# Altium PCB PCB.PcbDoc (part 3 of 4)
Units mm, origin at the board's own origin, x right, y up, seen from the top; angles counter-clockwise.
Board outline 120 x 75 mm, 4 copper layers (Top, GND 1, Power 2, Bottom), stack 1.586 mm thick; 171 components, 182 nets, 885 pads, 530 vias.
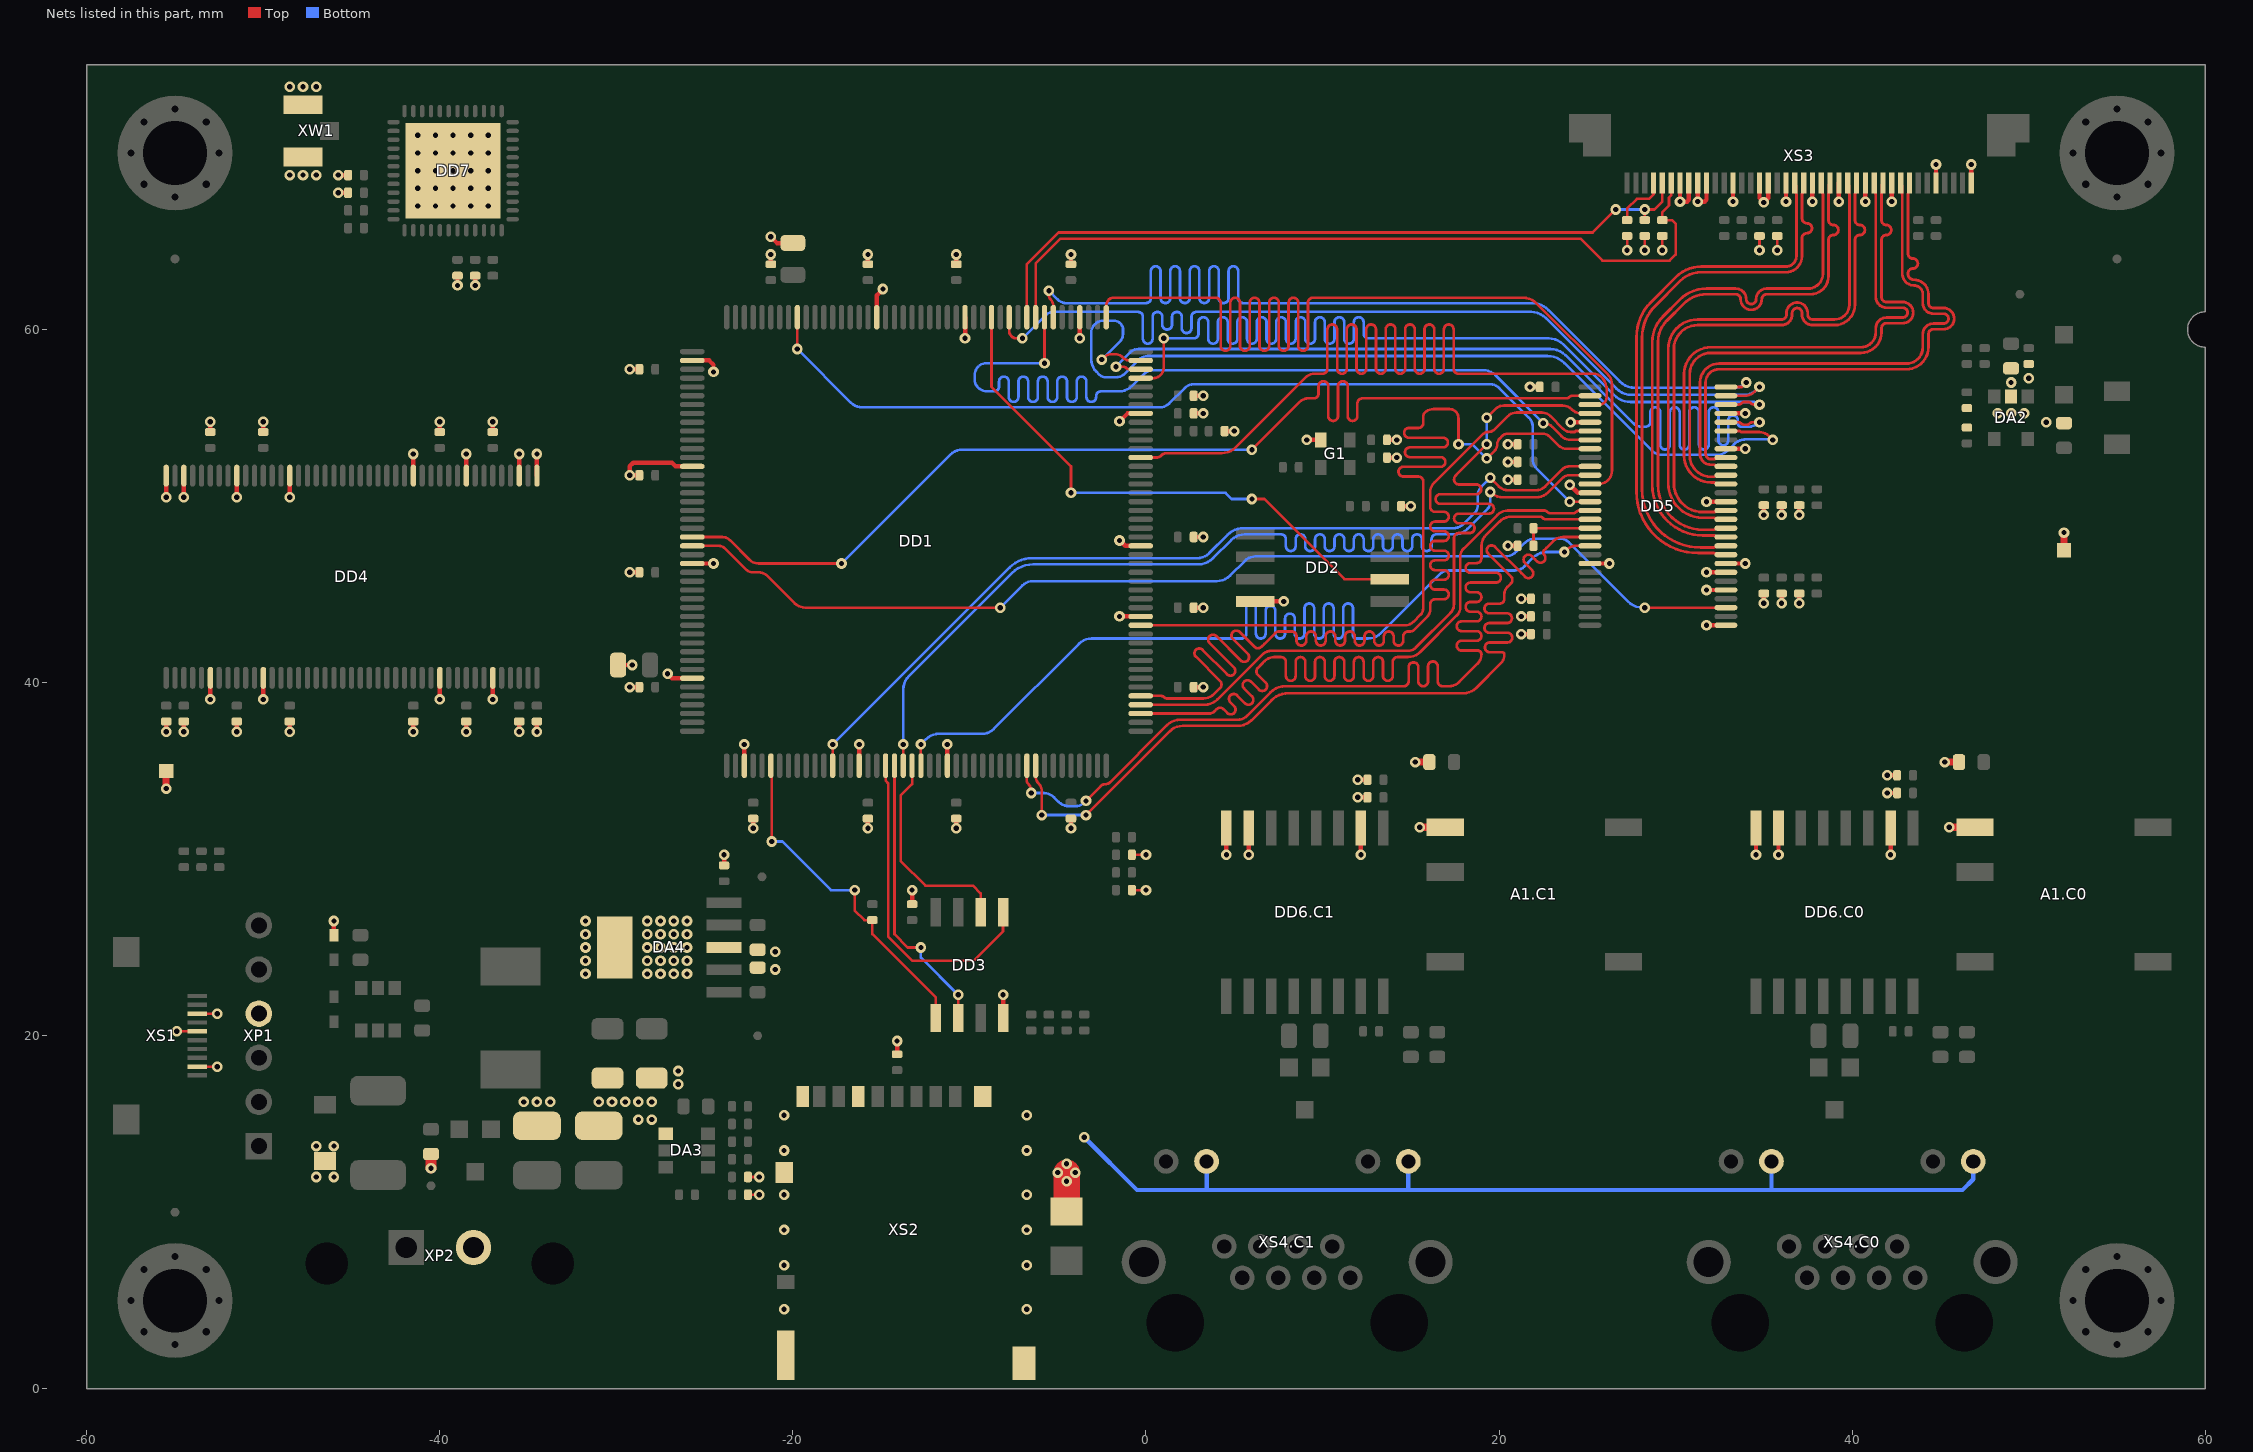
[diagram p5: the nets of this part, all layers, seen from the top]

## Via types
v1: diameter 0.6, hole 0.3, Top to Bottom, tented both sides, 505 vias
v2: diameter 0.6, hole 0.3, Top to Bottom, 25 vias

## Nets (pads, with @x,y where several pads share a name; then routed paths per layer and width w, separated by ;. In a path a pad name is that pad's centre, name@x,y a point inside that pad or via, vN(x,y) a via of type N, cw(c..) or ccw(c..) an arc to the next point about the centre after c; other vN are vias at no path point) (continued)
FLASH_SCK: DD1.58 DD2.6 | length 31.9
  Top w0.15: DD1.58@-8.75,60.7 -8.75,56.75 -4.25,52.25 v1(-4.25,50.75) ; v1(6,50.4) 6.7,50.4 11.235,45.865 DD2.6@13.81,45.865
  Bottom w0.15: v1(-4.25,50.75) 4.5,50.75 4.85,50.4 v1(6,50.4)
FRAM_CS_N: DD1.138 DD3.1 R10.1 | length 19.6
  Top w0.15: DD1.138@-21.25,35.3 -21.2,35.25 v1(-21.2,31) ; v1(-16.5,28.25) -16.5,27.1 -15.95,26.55 R10.1@-15.5,26.55 -15.5,25.75 -11.905,22.155 DD3.1@-11.905,21
  Bottom w0.15: v1(-21.2,31) -20.6,31 -17.85,28.25 v1(-16.5,28.25)
FRAM_MISO: DD1.152 DD3.2 | length 16.2
  Top w0.15: DD1.152@-14.25,35.3 -14.25,25.75 -13.5,25 v1(-12.75,25) ; DD3.2@-10.635,21 v1(-10.635,22.318)
  Bottom w0.15: v1(-12.75,25) -12.75,24.433 v1(-10.635,22.318)
FRAM_MOSI: DD1.151 DD3.5 | length 18.6
  Top w0.15: DD1.151@-14.75,35.3 -14.75,34.45 -14.6,34.3 -14.6,30.228 -14.598,30.225 -14.598,25.598 -13.25,24.25 -9.75,24.25 -8.1,25.9 -8.1,26.995 DD3.5@-8.095,27
FRAM_SCK: DD1.154 DD3.6 | length 12
  Top w0.15: DD1.154@-13.25,35.3 -13.25,34.25 -13.9,33.6 -13.9,29.9 -12.5,28.5 -9.8,28.5 -9.365,28.065 DD3.6@-9.365,27
GND: A1.C0.1 A1.C1.1 C1.1 C2.1 C3.1 C4.1 C5.1 C6.2 C7.2 C8.2 C9.2 C10.2 C11.2 C12.2 C13.2 C14.2 C15.2 C16.2 C17.2 C18.2 C19.2 C20.2 C21.2 C22.2 C23.2 C24.1 C25.1 C26.2 C27.2 C28.2 C29.2 C30.2 C31.2 C32.2 C33.2 C34.2 C35.2 C36.2 C37.2 C38.2 C39.2 C40.2 C41.2 C42.2 C43.2 C44.2 C45.2 C46.2 C47.2 C48.2 C49.2 C50.C0.1 C50.C1.1 C51.C0.1 C51.C1.1 C52.C0.1 C52.C1.1 C55.1 C56.1 C57.1 C58.1 C59.1 C61.1 C62.1 C63.1 C64.1 C67.1 C69.1 C70.1 C71.1 C72.1 C73.1 DA2.2 DA3.1 DA4.3 DA4.6 DD1.14 DD1.22 DD1.37 DD1.48 DD1.61 DD1.71 DD1.90 DD1.102 DD1.113 DD1.126 DD1.135 DD1.148 DD1.158 DD2.4 DD3.4 DD4.6 DD4.12 DD4.32 DD4.38 DD4.44 DD4.46 DD4.52 DD4.58 DD4.72 DD4.78 DD4.84 DD4.86 DD5.5 DD5.13 DD5.21 DD5.29 DD5.33 DD5.35 DD5.36 DD5.43 DD5.49 DD5.53 DD6.C0.2 DD6.C0.7 DD6.C0.8 DD6.C1.2 DD6.C1.7 DD6.C1.8 DD7.TP FV2.1 G1.2 KT1.1 KT2.1 R1.2 R3.2 R5.2 R12.1 R13.1 R15.2 R18.2 R19.2 R20.2 R29.1 R32.1 R34.1 R35.1 R36.1 VD2.2 XP1.4 XP2.2 XS1.3 XS1.5 XS1.9 XS2.6 XS2.CASE XS2.CDB XS3.1 XS3.5 XS3.10 XS3.13 XS3.16 XS3.19 XS3.22 XS3.24 XS3.25 XS3.28 XS3.31 XS3.32 XS3.33 XS3.34 XS4.C0.9 XS4.C0.11 XS4.C1.9 XS4.C1.11 XW1.2 | length 188.2
  Top w0.15: v1(-54.9,20.25) XS1.5@-53.75,20.25 ; XS1.9@-53.75,18.25 v1(-52.6,18.25) ; XS1.3@-53.75,21.25 v1(-52.6,21.25) ; R34.1@-22.55,11 v1(-21.9,11) ; R36.1@-22.55,12 v1(-21.9,12) ; R3.2@-0.8,28.25 v1(0,28.25) ; R5.2@-0.8,30.25 v1(0,30.25) ; v1(21.25,44.75) R1.2@21.8,44.75 ; v1(27.25,64.5) 27.25,64.75 R20.2@27.25,65.3 ; v1(28.25,64.5) 28.25,64.75 R12.1@28.25,65.3 ; v1(29.25,64.5) 29.25,64.75 R13.1@29.25,65.3 ; v1(34.75,64.5) 34.75,64.75 R18.2@34.75,65.3 ; v1(35.75,64.5) 35.75,64.75 R19.2@35.75,65.3
  Top w0.25: v1(-55.5,37.225) C26.2@-55.5,37.8 ; v1(-55.5,50.5) DD4.86@-55.5,51.725 ; v1(-54.5,37.225) C32.2@-54.5,37.8 ; v1(-54.5,50.5) DD4.84@-54.5,51.725 ; v1(-53,39.05) DD4.6@-53,40.275 ; C30.2@-53,54.2 v1(-53,54.775) ; v1(-51.5,37.225) C36.2@-51.5,37.8 ; v1(-51.5,50.5) DD4.78@-51.5,51.725 ; v1(-50,39.05) DD4.12@-50,40.275 ; C34.2@-50,54.2 v1(-50,54.775) ; v1(-48.5,37.225) C28.2@-48.5,37.8 ; v1(-48.5,50.5) DD4.72@-48.5,51.725 ; VD2.2@-46,25.7 v1(-46,26.5) ; v1(-45.75,67.75) C55.1@-45.2,67.75 ; v1(-45.75,68.75) C57.1@-45.2,68.75 ; v1(-41.5,37.225) C37.2@-41.5,37.8 ; DD4.58@-41.5,51.725 v1(-41.5,52.95) ; v1(-40,39.05) DD4.32@-40,40.275 ; C35.2@-40,54.2 v1(-40,54.775) ; v1(-39,62.5) C56.1@-39,63.05 ; v1(-38.5,37.225) C33.2@-38.5,37.8 ; DD4.52@-38.5,51.725 v1(-38.5,52.95) ; v1(-38,62.5) R29.1@-38,63.05 ; v1(-37,39.05) DD4.38@-37,40.275 ; C31.2@-37,54.2 v1(-37,54.775) ; v1(-35.5,37.225) C29.2@-35.5,37.8 ; DD4.46@-35.5,51.725 v1(-35.5,52.95) ; v1(-34.5,37.225) C27.2@-34.5,37.8 ; DD4.44@-34.5,51.725 v1(-34.5,52.95) ; C24.1@-29.9,41 v1(-29.1,41) ; v1(-29.25,39.75) C15.2@-28.7,39.75 ; v1(-29.25,46.25) C20.2@-28.7,46.25 ; v1(-29.25,57.75) C17.2@-28.7,57.75 ; C18.2@-28.7,51.75 v1(-29.25,51.75) -29.25,52.25 -29.05,52.45 -26.85,52.45 -26.65,52.25 DD1.102@-25.7,52.25 ; v1(-27.1,40.5) -26.85,40.25 DD1.126@-25.7,40.25 ; DD1.113@-25.7,46.75 v1(-24.5,46.75) ; DD1.90@-25.7,58.25 -24.75,58.25 -24.5,58 v1(-24.5,57.6) ; C67.1@-23.9,29.65 v1(-23.9,30.25) ; DD1.135@-22.75,35.3 v1(-22.75,36.5) ; v1(-22.25,31.75) C11.2@-22.25,32.3 ; C10.2@-21.25,63.7 v1(-21.25,64.25) ; v1(-21.25,65.25) -20.9,64.9 C25.1@-20,64.9 ; DD1.148@-16.25,35.3 v1(-16.25,36.5) ; v1(-15.75,31.75) C6.2@-15.75,32.3 ; C7.2@-15.75,63.7 v1(-15.75,64.25) ; DD1.71@-15.25,60.7 -15.25,61.933 -14.9,62.283 v1(-14.9,62.3) ; C3.1@-14.1,18.95 v1(-14.1,19.7) ; C5.1@-13.25,27.45 v1(-13.25,28.25) ; DD1.158@-11.25,35.3 v1(-11.25,36.5) ; v1(-10.75,31.75) C13.2@-10.75,32.3 ; C9.2@-10.75,63.7 v1(-10.75,64.25) ; v1(-10.25,59.5) DD1.61@-10.25,60.7 ; DD3.4@-8.095,21 v1(-8.095,22.318) ; v1(-4.25,31.75) C19.2@-4.25,32.3 ; C8.2@-4.25,63.7 v1(-4.25,64.25) ; v1(-3.75,59.5) DD1.48@-3.75,60.7 ; v1(-1.5,43.75) DD1.14@-0.3,43.75 ; v1(-1.5,48.05) -1.479,48.05 -1.179,47.75 DD1.22@-0.3,47.75 ; v1(-1.5,54.8) -1.05,55.25 DD1.37@-0.3,55.25 ; C21.2@2.7,39.75 v1(3.25,39.75) ; C12.2@2.7,44.25 v1(3.25,44.25) ; C14.2@2.7,48.25 v1(3.25,48.25) ; C22.2@2.7,55.25 v1(3.25,55.25) ; C23.2@2.7,56.25 v1(3.25,56.25) ; C16.2@4.45,54.25 v1(5,54.25) ; v1(4.555,30.25) DD6.C1.8@4.555,31.762 ; v1(5.825,30.25) DD6.C1.7@5.825,31.762 ; DD2.4@6.19,44.595 6.195,44.6 v1(7.8,44.6) ; v1(9.1,53.75) G1.2@9.9,53.75 ; v1(11.995,33.5) C50.C1.1@12.545,33.5 ; v1(11.995,34.5) C51.C1.1@12.545,34.5 ; v1(12.175,30.25) DD6.C1.2@12.175,31.762 ; C2.1@13.65,52.75 v1(14.2,52.75) ; C1.1@13.65,53.75 v1(14.2,53.75) ; C4.1@14.45,50 v1(15,50) ; v1(20.5,47.75) R15.2@21.05,47.75 ; v1(20.5,51.5) C40.2@21.05,51.5 ; v1(20.5,52.5) C39.2@21.05,52.5 ; v1(20.5,53.5) C38.2@21.05,53.5 ; v1(21.25,42.75) C43.2@21.8,42.75 ; v1(21.25,43.75) C41.2@21.8,43.75 ; v1(21.75,56.75) C42.2@22.3,56.75 ; v1(24,51.2) 24.45,50.75 DD5.13@25.15,50.75 ; v1(24.05,54.75) DD5.5@25.15,54.75 ; DD5.21@25.15,46.75 v1(26.25,46.75) ; XS3.34@30.25,68.3 v1(30.25,67.25) 30.65,67.25 30.75,67.35 XS3.33@30.75,68.3 ; XS3.32@31.25,68.3 v1(31.25,67.25) 31.65,67.25 31.75,67.35 XS3.31@31.75,68.3 ; v1(31.75,43.25) DD5.29@32.85,43.25 ; v1(31.75,45.25) DD5.33@32.85,45.25 ; v1(31.75,46.25) DD5.35@32.85,46.25 ; v1(31.75,50.25) DD5.43@32.85,50.25 ; DD5.36@32.85,46.75 v1(33.95,46.75) ; DD5.49@32.85,53.25 v1(33.95,53.25) ; DD5.53@32.85,55.25 v1(33.95,55.25) ; v1(33.25,67.25) XS3.28@33.25,68.3 ; v1(34.555,30.25) DD6.C0.8@34.555,31.762 ; XS3.25@34.75,68.3 34.75,67.45 v1(35,67.2) 35.25,67.45 XS3.24@35.25,68.3 ; v1(35,44.5) C46.2@35,45.05 ; v1(35,49.5) C49.2@35,50.05 ; v1(35.825,30.25) DD6.C0.7@35.825,31.762 ; v1(36,44.5) C45.2@36,45.05 ; v1(36,49.5) C48.2@36,50.05 ; v1(36.25,67.25) XS3.22@36.25,68.3 ; v1(37,44.5) C44.2@37,45.05 ; v1(37,49.5) C47.2@37,50.05 ; v1(37.75,67.25) XS3.19@37.75,68.3 ; v1(39.25,67.25) XS3.16@39.25,68.3 ; v1(40.75,67.25) XS3.13@40.75,68.3 ; v1(41.995,33.75) C50.C0.1@42.545,33.75 ; v1(41.995,34.75) C51.C0.1@42.545,34.75 ; v1(42.175,30.25) DD6.C0.2@42.175,31.762 ; v1(42.25,67.25) XS3.10@42.25,68.3 ; XS3.5@44.75,68.3 v1(44.75,69.35) ; XS3.1@46.75,68.3 v1(46.75,69.35)
  Top w0.4: v1(-55.5,34) KT1.1@-55.5,35 ; v1(15.25,35.5) C52.C1.1@16.05,35.5 ; v1(15.5,31.81) A1.C1.1@16.95,31.81 ; v1(45.25,35.5) C52.C0.1@46.05,35.5 ; v1(45.5,31.81) A1.C0.1@46.95,31.81 ; KT2.1@52,47.5 v1(52,48.5)
  Top w0.6: v1(-40.5,12.5) C59.1@-40.5,13.3
  Top w1.5: C58.1@-4.5,10.05 v1(-4.5,11.75) -4.5,12.25
  Bottom w0.25: v1(-3.5,14.25) -0.51,11.26 3.43,11.26 ; XS4.C1.11@3.43,12.88 3.43,11.26 ; XS4.C1.9@14.86,12.88 14.86,11.26 ; XS4.C0.11@35.43,12.88 35.43,11.26 ; XS4.C0.9@46.86,12.88 46.86,11.87 46.25,11.26 35.43,11.26 ; 3.43,11.26 14.86,11.26 ; 14.86,11.26 35.43,11.26
  other v1: -20.5,4.5 -6.75,4.5 -20.5,7 -6.75,7 -20.5,9 -6.75,9 -20.5,11 -6.75,11 -47,12 -46,12 -5,12.25 -4,12.25 -4.5,12.75 -20.5,13.5 -6.75,13.5 -47,13.75 -46,13.75 -28.75,15.25 -28,15.25 -20.5,15.5 -6.75,15.5 -35.25,16.25 -34.5,16.25 -33.75,16.25 -31,16.25 -30.25,16.25 -29.5,16.25 -28.75,16.25 -28,16.25 -26.5,17.25 -26.5,18 -31.75,23.5 -28.25,23.5 -27.5,23.5 -26.75,23.5 -26,23.5 -21,23.75 -31.75,24.25 -28.25,24.25 -27.5,24.25 -26.75,24.25 -26,24.25 -21,24.75 -31.75,25 -28.25,25 -27.5,25 -26.75,25 -26,25 -31.75,25.75 -28.25,25.75 -27.5,25.75 -26.75,25.75 -26,25.75 -31.75,26.5 -28.25,26.5 -27.5,26.5 -26.75,26.5 -26,26.5 51,54.75 48.25,55.25 49,55.25 49.75,55.25 49,57 50,57.25 -48.5,68.75 -47.75,68.75 -47,68.75 -48.5,73.75 -47.75,73.75 -47,73.75
  other v2: -41.25,67 -40.25,67 -39.25,67 -38.25,67 -37.25,67 -41.25,68 -40.25,68 -39.25,68 -38.25,68 -37.25,68 -41.25,69 -40.25,69 -39.25,69 -38.25,69 -37.25,69 -41.25,70 -40.25,70 -39.25,70 -38.25,70 -37.25,70 -41.25,71 -40.25,71 -39.25,71 -38.25,71 -37.25,71
LCD_BIST: R20.1 XS3.37 | length 3.1
  Top w0.15: R20.1@27.25,66.2 27.25,66.85 27.8,67.4 28.5,67.4 28.75,67.65 XS3.37@28.75,68.3
LCD_BL_EN: DD1.54 R12.2 XS3.36 | length 42.1
  Top w0.15: DD1.54@-6.75,60.7 -6.75,63.7 -4.95,65.5 25.3,65.5 v1(26.6,66.8) ; R12.2@28.25,66.2 v1(28.25,66.8) 28.8,66.8 29.25,67.25 XS3.36@29.25,68.3
  Bottom w0.15: v1(26.6,66.8) v1(28.25,66.8)
LCD_BL_PWM: DD1.53 R13.2 XS3.35 | length 45.4
  Top w0.15: DD1.53@-6.25,60.7 -6.25,63.75 -4.85,65.15 24.6,65.15 25.85,63.9 29.65,63.9 30,64.25 30,66 29.8,66.2 R13.2@29.25,66.2 29.25,66.65 29.625,67.025 29.625,67.475 29.75,67.6 XS3.35@29.75,68.3
LCD_CLK: DD1.111 DD5.31 | length 62.8
  Top w0.15: DD1.111@-25.7,47.75 -24.2,47.75 cw(c-24.2,47.267) -23.859,47.609 -22.675,46.425 ccw(c-22.253,46.847) -22.253,46.25 -21.951,46.25 cw(c-21.951,45.523) -21.437,46.037 -19.9,44.5 ccw(c-19.296,45.104) -19.296,44.25 v1(-8.25,44.25) ; v1(28.25,44.25) DD5.31@32.85,44.25
  Bottom w0.15: v1(-8.25,44.25) -7,45.5 cw(c-6.396,44.896) -6.396,45.75 4,45.75 ccw(c4,46.836) 4.768,46.068 5.6,46.9 cw(c6.204,46.296) 6.204,47.15 20.311,47.15 ccw(c20.311,48.089) 20.975,47.425 ; 20.975,47.425 21.475,47.925 cw(c22.018,47.382) 22.018,48.15 23.467,48.15 cw(c23.467,47.467) 23.95,47.95 ; 23.95,47.95 27.3,44.6 ccw(c28.145,45.445) 28.145,44.25 v1(28.25,44.25)
LCD_CLK_N: DD5.40 XS3.17 | length 32
  Top w0.16: DD5.40@32.85,48.75 32.376,48.75 ccw(c32.376,48.596) 32.267,48.705 cw(c32.158,48.814) 32.158,48.66 31.54,48.66 cw(c31.54,51.2) 29,51.2 29,59.293 cw(c30.707,59.293) 29.5,60.5 30.47,61.47 cw(c31.75,60.189) 31.75,62 33.4,62 cw(c33.4,61.72) 33.68,61.72 ccw(c34.28,61.72) 34.88,61.72 cw(c35.16,61.72) 35.16,62 37.633,62 ccw(c37.633,63.027) 38.66,63.027 38.66,64.9 38.66,65.08 cw(c38.94,65.08) 38.94,65.36 ccw(c38.94,65.64) 39.22,65.64 ccw(c38.94,65.64) 38.94,65.92 cw(c38.94,66.2) 38.66,66.2 38.66,67.672 cw(c38.694,67.672) 38.67,67.696 ccw(c38.646,67.72) 38.68,67.72 38.68,68.131 cw(c38.919,68.131) XS3.17@38.75,68.3
LCD_CLK_P: DD5.39 XS3.18 | length 31.8
  Top w0.16: DD5.39@32.85,48.25 32.376,48.25 cw(c32.376,48.404) 32.267,48.295 ccw(c32.158,48.186) 32.158,48.34 31.54,48.34 cw(c31.54,51.2) 28.68,51.2 28.68,59.297 cw(c30.696,59.297) 29.27,60.723 30.245,61.698 cw(c31.747,60.196) 31.747,62.32 33.4,62.32 cw(c33.4,61.72) 34,61.72 ccw(c34.28,61.72) 34.56,61.72 cw(c35.16,61.72) 35.16,62.32 37.5,62.32 ccw(c37.5,63.16) 38.34,63.16 38.34,67.672 ccw(c38.306,67.672) 38.33,67.696 cw(c38.354,67.72) 38.32,67.72 38.32,68.131 ccw(c38.081,68.131) XS3.18@38.25,68.3
LCD_CLKSEL: DD5.17 R14.1 R15.1 | length 4.2
  Top w0.15: R15.1@21.95,47.75 R14.1@21.95,48.75 DD5.17@25.15,48.75
LCD_DATA0: DD1.43 DD5.51 | length 53.1
  Top w0.15: v1(-2.5,58.3) -2.36,58.44 cw(c-1.974,58.054) -1.974,58.6 -1.747,58.6 cw(c-1.747,58.003) -1.325,58.425 ccw(c-0.903,58.847) -0.903,58.25 DD1.43@-0.725,58.25 ; DD5.51@32.85,54.25 33.65,54.25 33.7,54.2 34.732,54.2 cw(c34.732,53.432) 35.275,53.975 v1(35.5,53.75)
  Bottom w0.15: -2.9,60.3 ccw(c-2.417,59.817) -3.1,59.817 -3.1,58.3 ccw(c-2.134,58.3) -2.818,57.618 -2.659,57.459 ccw(c-2.276,57.841) -2.276,57.3 -1.7,57.3 ccw(c-1.7,58.024) -1.188,57.512 -0.412,58.288 cw(c0.1,57.776) 0.1,58.5 22.734,58.5 cw(c22.734,57.134) 23.699,58.101 ; -2.9,60.3 cw(c-2.417,59.817) -2.417,60.5 -1.812,60.5 cw(c-1.812,59.988) -1.45,60.35 ; v1(-2.5,58.3) -1.472,59.328 ccw(c-1.889,59.744) -1.3,59.744 -1.3,59.988 ccw(c-1.812,59.988) -1.45,60.35 ; 23.7,58.1 28.65,53.15 ccw(c29.254,53.754) 29.245,52.9 ccw(c29.254,53.754) 29.254,52.9 29.4,52.9 32.3,52.9 ccw(c32.3,53.866) 32.976,53.176 ; 33,53.2 32.983,53.183 cw(c32.3,53.866) 32.976,53.176 ; 33.892,53.774 ccw(c33.97,52.83) 33.3,53.5 32.976,53.176 ; 33.892,53.777 35.473,53.777 v1(35.5,53.75)
LCD_DATA0_N: DD5.48 XS3.8 | length 31.9
  Top w0.16: DD5.48@32.85,52.75 32.376,52.75 ccw(c32.376,52.596) 32.267,52.705 cw(c32.158,52.814) 32.158,52.66 32,52.66 cw(c32,52.96) 31.7,52.96 31.7,57 cw(c32.45,57) 32.45,57.75 43.07,57.75 ccw(c43.07,59) 44.32,59 44.32,59.74 cw(c44.6,59.74) 44.6,60.02 45.177,60.02 ccw(c45.177,60.62) 45.777,60.62 ccw(c45.177,60.62) 45.177,61.22 44.6,61.22 cw(c44.6,61.5) 44.32,61.5 44.32,62 ccw(c43.5,62) 43.5,62.82 cw(c43.5,63.16) 43.16,63.16 43.16,63.18 cw(c43.44,63.18) 43.44,63.46 ccw(c43.44,63.74) 43.72,63.74 ccw(c43.44,63.74) 43.44,64.02 cw(c43.44,64.3) 43.16,64.3 43.16,67.672 cw(c43.194,67.672) 43.17,67.696 ccw(c43.146,67.72) 43.18,67.72 43.18,68.131 cw(c43.419,68.131) XS3.8@43.25,68.3
LCD_DATA0_P: DD5.47 XS3.9 | length 31.8
  Top w0.16: DD5.47@32.85,52.25 32.376,52.25 cw(c32.376,52.404) 32.267,52.295 ccw(c32.158,52.186) 32.158,52.34 32,52.34 cw(c32,52.96) 31.38,52.96 31.38,57 cw(c32.45,57) 32.45,58.07 43.07,58.07 ccw(c43.07,59) 44,59 44,59.74 cw(c44.6,59.74) 44.6,60.34 45.177,60.34 ccw(c45.177,60.62) 45.457,60.62 ccw(c45.177,60.62) 45.177,60.9 44.6,60.9 cw(c44.6,61.5) 44,61.5 44,62 ccw(c43.5,62) 43.5,62.5 cw(c43.5,63.16) 42.84,63.16 42.84,67.672 ccw(c42.806,67.672) 42.83,67.696 cw(c42.854,67.72) 42.82,67.72 42.82,68.131 ccw(c42.581,68.131) XS3.9@42.75,68.3
LCD_DATA1: DD1.42 DD5.52 | length 59.7
  Top w0.15: v1(-1.7,57.9) -1.306,57.9 cw(c-1.306,57.644) -1.125,57.825 ; -1.125,57.825 ccw(c-0.944,58.006) -0.944,57.75 DD1.42@-0.3,57.75 ; DD5.52@32.85,54.75 33.544,54.75 cw(c33.544,54.494) 33.725,54.675 ; 33.725,54.675 ccw(c33.906,54.856) 33.906,54.6 34.003,54.6 ccw(c34.003,54.834) 34.169,54.669 cw(c34.365,54.472) 34.365,54.75 v1(34.75,54.75)
  Bottom w0.15: v1(-1.7,57.9) -0.9,58.7 cw(c-0.417,58.217) -0.417,58.9 22.905,58.9 cw(c22.905,57.705) 23.75,58.55 27.623,54.677 ccw(c28.05,55.104) 28.05,54.5 28.3,54.5 ccw(c28.3,54.775) 28.575,54.775 28.575,55.323 cw(c28.85,55.323) 28.85,55.598 cw(c28.85,55.323) 29.125,55.323 29.125,54.5 29.125,53.477 ccw(c29.4,53.477) 29.4,53.202 ccw(c29.4,53.477) 29.675,53.477 29.675,54.5 29.675,55.323 cw(c29.95,55.323) 29.95,55.598 cw(c29.95,55.323) 30.225,55.323 30.225,54.5 30.225,53.477 ccw(c30.5,53.477) 30.5,53.202 ccw(c30.5,53.477) 30.775,53.477 30.775,54.5 30.775,55.323 cw(c31.05,55.323) 31.05,55.598 cw(c31.05,55.323) 31.325,55.323 31.325,54.5 31.325,53.477 ccw(c31.6,53.477) 31.6,53.202 ccw(c31.6,53.477) 31.875,53.477 31.875,54.5 31.875,55.323 cw(c32.15,55.323) 32.15,55.598 cw(c32.15,55.323) 32.425,55.323 32.425,54.5 32.425,53.716 ccw(c32.7,53.716) 32.7,53.441 ccw(c32.7,53.716) 32.975,53.716 32.975,54.5 32.975,54.858 cw(c33.25,54.858) 33.25,55.133 cw(c33.25,54.858) 33.525,54.858 33.525,54.675 ccw(c33.7,54.675) 33.7,54.5 34.146,54.5 ccw(c34.146,55.354) v1(34.75,54.75)
LCD_DATA1_N: DD5.46 XS3.11 | length 31.6
  Top w0.16: DD5.46@32.85,51.75 32.376,51.75 ccw(c32.376,51.596) 32.267,51.705 cw(c32.158,51.814) 32.158,51.66 32,51.66 cw(c32,52.86) 30.8,52.86 30.8,57.48 cw(c32,57.48) 32,58.68 40.5,58.68 ccw(c40.5,59.84) 41.66,59.84 41.66,60.08 cw(c41.94,60.08) 41.94,60.36 42.86,60.36 ccw(c42.86,60.96) 43.46,60.96 ccw(c42.86,60.96) 42.86,61.56 41.94,61.56 cw(c41.94,61.84) 41.66,61.84 41.66,64.6 41.66,65.08 cw(c41.94,65.08) 41.94,65.36 ccw(c41.94,65.64) 42.22,65.64 ccw(c41.94,65.64) 41.94,65.92 cw(c41.94,66.2) 41.66,66.2 41.66,67.672 cw(c41.694,67.672) 41.67,67.696 ccw(c41.646,67.72) 41.68,67.72 41.68,68.131 cw(c41.919,68.131) XS3.11@41.75,68.3
LCD_DATA1_P: DD5.45 XS3.12 | length 31.4
  Top w0.16: DD5.45@32.85,51.25 32.376,51.25 cw(c32.376,51.404) 32.267,51.295 ccw(c32.158,51.186) 32.158,51.34 32,51.34 cw(c32,52.86) 30.48,52.86 30.48,57.48 cw(c32,57.48) 32,59 40.5,59 ccw(c40.5,59.84) 41.34,59.84 41.34,60.08 cw(c41.94,60.08) 41.94,60.68 42.86,60.68 ccw(c42.86,60.96) 43.14,60.96 ccw(c42.86,60.96) 42.86,61.24 41.94,61.24 cw(c41.94,61.84) 41.34,61.84 41.34,67.672 ccw(c41.306,67.672) 41.33,67.696 cw(c41.354,67.72) 41.32,67.72 41.32,68.131 ccw(c41.081,68.131) XS3.12@41.25,68.3
LCD_DATA2: DD1.41 DD5.54 | length 62.5
  Top w0.15: DD1.41@-0.3,57.25 0.403,57.25 ccw(c0.403,57.847) 0.824,57.424 ; 0.825,57.425 ccw(c0.403,57.847) 1,57.847 v1(1,59.5) ; DD5.54@32.85,55.75 33.544,55.75 ccw(c33.544,56.006) 33.725,55.825 ; 33.725,55.825 cw(c33.906,55.644) 33.906,55.9 34.094,55.9 cw(c34.094,55.644) 34.275,55.825 ; 34.275,55.825 ccw(c34.456,56.006) 34.456,55.75 v1(34.75,55.75)
  Bottom w0.15: v1(1,59.5) 2.7,59.5 ccw(c2.7,59.775) 2.975,59.775 2.975,60.423 cw(c3.25,60.423) 3.25,60.698 cw(c3.25,60.423) 3.525,60.423 3.525,59.5 3.525,59.477 ccw(c3.8,59.477) 3.8,59.202 ccw(c3.8,59.477) 4.075,59.477 4.075,59.5 4.075,60.423 cw(c4.35,60.423) 4.35,60.698 ; 4.35,60.698 cw(c4.35,60.423) 4.625,60.423 4.625,59.5 4.625,59.477 ccw(c4.9,59.477) 4.9,59.202 ccw(c4.9,59.477) 5.175,59.477 5.175,59.5 5.175,60.423 cw(c5.45,60.423) 5.45,60.698 cw(c5.45,60.423) 5.725,60.423 5.725,59.5 5.725,59.477 ccw(c6,59.477) 6,59.202 ccw(c6,59.477) 6.275,59.477 6.275,59.5 6.275,60.423 cw(c6.55,60.423) 6.55,60.698 cw(c6.55,60.423) 6.825,60.423 6.825,59.5 6.825,59.477 ccw(c7.1,59.477) 7.1,59.202 ccw(c7.1,59.477) 7.375,59.477 7.375,59.5 7.375,60.423 cw(c7.65,60.423) 7.65,60.698 cw(c7.65,60.423) 7.925,60.423 7.925,59.5 7.925,59.477 ccw(c8.2,59.477) 8.2,59.202 ccw(c8.2,59.477) 8.475,59.477 8.475,59.5 8.475,60.423 cw(c8.75,60.423) 8.75,60.698 cw(c8.75,60.423) 9.025,60.423 9.025,59.5 9.025,59.477 ccw(c9.3,59.477) 9.3,59.202 ccw(c9.3,59.477) 9.575,59.477 9.575,59.5 9.575,60.423 cw(c9.85,60.423) 9.85,60.698 cw(c9.85,60.423) 10.125,60.423 10.125,59.5 10.125,59.477 ccw(c10.4,59.477) 10.4,59.202 ccw(c10.4,59.477) 10.675,59.477 10.675,59.5 10.675,60.423 cw(c10.95,60.423) 10.95,60.698 cw(c10.95,60.423) 11.225,60.423 11.225,59.5 11.225,59.477 ccw(c11.5,59.477) 11.5,59.202 ccw(c11.5,59.477) 11.775,59.477 11.775,59.5 11.775,60.423 cw(c12.05,60.423) 12.05,60.698 cw(c12.05,60.423) 12.325,60.423 12.325,59.775 ccw(c12.6,59.775) 12.6,59.5 12.8,59.5 22.8,59.5 cw(c22.8,58.293) 23.653,59.147 26.5,56.3 ; 26.501,56.299 ccw(c27.466,57.266) 27.466,55.9 28.358,55.9 28.742,55.9 29.458,55.9 29.842,55.9 30.558,55.9 30.942,55.9 31.658,55.9 32.042,55.9 32.758,55.9 33.142,55.9 34.388,55.9 cw(c34.388,55.388) v1(34.75,55.75)